# Altium PCB MiniPC.PcbDoc (part 22 of 23) (continued)
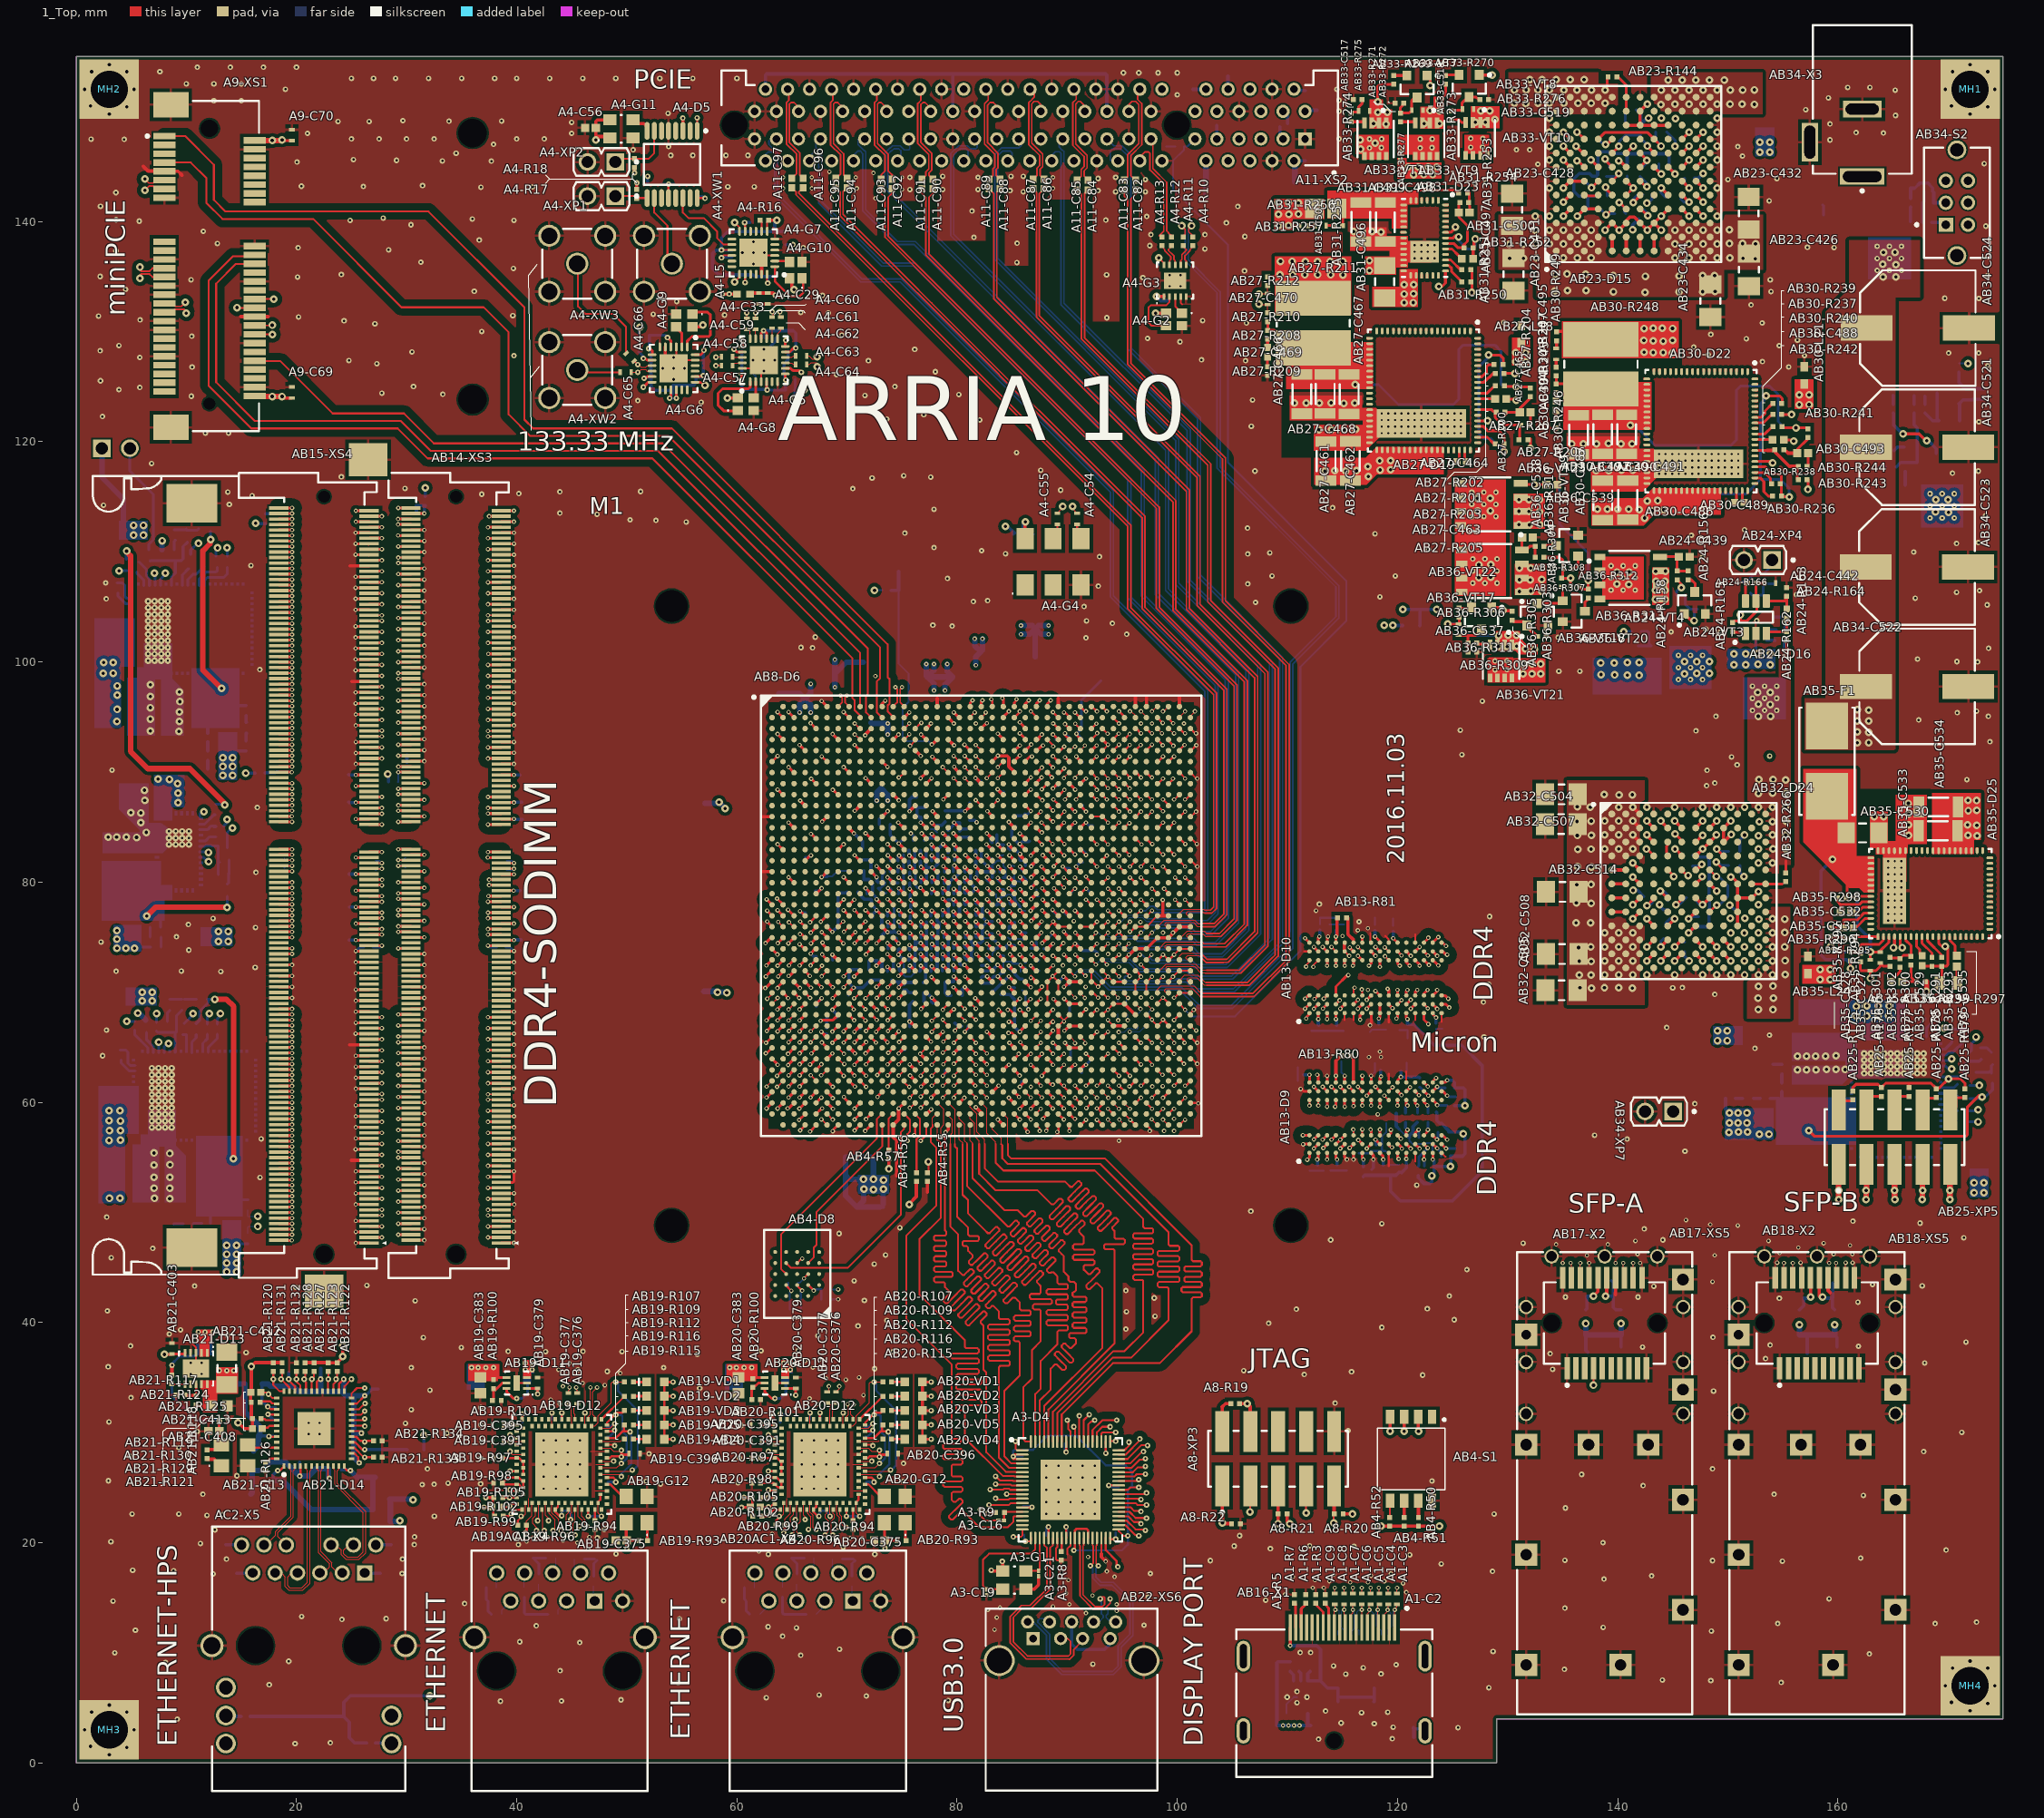
[diagram p0: 1_Top view]
## Nets (pads, with @x,y where several pads share a name; then routed paths per layer and width w, separated by ;. In a path a pad name is that pad's centre, name@x,y a point inside that pad or via, vN(x,y) a via of type N, cw(c..) or ccw(c..) an arc to the next point about the centre after c; other vN are vias at no path point) (continued)
USB3_port.SSTX._N: A3-C15.2 AB22-XS6.5 | length 1.7
  16_Bottom w0.15: A3-C15.2@93.7,13.835 93.7,13.56 93.535,13.395 93.535,13.2 93.94,12.795 AB22-XS6.5@94.4,12.795
USB3_port.SSTX._P: A3-C14.2 AB22-XS6.6 | length 1.7
  16_Bottom w0.15: AB22-XS6.6@92.4,12.795 92.86,12.795 93.265,13.2 93.265,13.395 93.1,13.56 A3-C14.2@93.1,13.835
USB3_port.VBUS: A3-D4.37 AB22-XS6.1 | length 24
  1_Top w0.2: A3-D4.37@93.5,20.425 93.5,19.325 94.5,18.325 94.5,17.9 v3(94.6,17.8)
  7_int6_(sign) w0.3: AB22-XS6.1@86.9,11.295 86.9,8.9 87.6,8.2 94.1,8.2 94.7,8.8 94.7,10.1 96.1,11.5 96.1,16.3 v3(94.6,17.8)
USB3_RD: A3-D4.12 AB8-D6.AT17 | length 65.5
  1_Top w0.17: v1(78.7,60.4) 78.7,60.445 AB8-D6.AT17@79.194,60.939 ; v3(83.5,24.025) 83.625,23.9 84.661,23.9 84.761,24 A3-D4.12@85.925,24
  5_int4_(sign) w0.1: v1(78.7,60.4) 78.6,60.3 78.6,55.7 80.083,54.217 80.083,46.517 81.57,45.03 81.57,44.45 81.57,44.35 81.67,44.25 82.691,44.25 82.791,44.15 82.791,43.95 82.691,43.85 81.57,43.85 81.463,43.85 81.363,43.75 81.363,43.55 81.463,43.45 81.57,43.45 82.691,43.45 82.791,43.35 82.791,43.15 82.691,43.05 81.57,43.05 81.463,43.05 81.363,42.95 81.363,42.75 81.463,42.65 81.57,42.65 82.691,42.65 82.791,42.55 82.791,42.35 82.691,42.25 81.57,42.25 81.463,42.25 81.363,42.15 81.363,41.95 81.463,41.85 81.57,41.85 82.691,41.85 82.791,41.75 82.791,41.55 82.691,41.45 81.57,41.45 81.463,41.45 81.363,41.35 81.363,41.15 81.463,41.05 81.57,41.05 82.691,41.05 82.791,40.95 82.791,40.75 82.691,40.65 81.57,40.65 81.463,40.65 81.363,40.55 81.363,40.35 81.463,40.25 81.57,40.25 82.691,40.25 82.791,40.15 82.791,39.95 82.691,39.85 81.57,39.85 81.463,39.85 81.363,39.75 81.363,39.55 81.463,39.45 81.57,39.45 82.691,39.45 82.791,39.35 82.791,39.15 82.691,39.05 81.57,39.05 80.867,39.05 80.767,38.95 80.767,38.75 80.867,38.65 81.57,38.65 82.691,38.65 82.791,38.55 82.791,38.35 82.691,38.25 81.57,38.25 81.397,38.25 81.297,38.15 81.297,37.95 81.397,37.85 81.47,37.85 81.57,37.75 81.57,37.61 81.57,33.84 80.4,32.67 80.4,26 82.375,24.025 v3(83.5,24.025)
USB3_RXF: A3-D4.9 AB8-D6.AT18 | length 64
  1_Top w0.17: v1(79.7,60.4) 79.7,60.55 80.089,60.939 AB8-D6.AT18@80.194,60.939 ; v3(83.5,25.325) 83.545,25.28 84.854,25.28 84.934,25.2 A3-D4.9@85.925,25.2
  5_int4_(sign) w0.1: v1(79.7,60.4) 80.1,60 80.1,56.954 80,56.854 80,56.1 81.1,55 81.1,49.72 87.13,43.69 87.13,43.5 87.13,43.4 87.23,43.3 88.207,43.3 88.307,43.2 88.307,43 88.207,42.9 87.13,42.9 86.791,42.9 86.691,42.8 86.691,42.6 86.791,42.5 87.13,42.5 88.207,42.5 88.307,42.4 88.307,42.2 88.207,42.1 87.13,42.1 86.791,42.1 86.691,42 86.691,41.8 86.791,41.7 87.13,41.7 88.207,41.7 88.307,41.6 88.307,41.4 88.207,41.3 87.13,41.3 86.791,41.3 86.691,41.2 86.691,41 86.791,40.9 87.13,40.9 88.207,40.9 88.307,40.8 88.307,40.6 88.207,40.5 87.13,40.5 86.791,40.5 86.691,40.4 86.691,40.2 86.791,40.1 87.13,40.1 88.207,40.1 88.307,40 88.307,39.8 88.207,39.7 87.13,39.7 86.791,39.7 86.691,39.6 86.691,39.4 86.791,39.3 87.13,39.3 88.207,39.3 88.307,39.2 88.307,39 88.207,38.9 87.13,38.9 86.791,38.9 86.691,38.8 86.691,38.6 86.791,38.5 87.13,38.5 88.207,38.5 88.307,38.4 88.307,38.2 88.207,38.1 87.23,38.1 87.13,38 87.13,37.02 87.13,35.03 82.7,30.6 82.7,25.7 83.075,25.325 v3(83.5,25.325)
USB3_SIWU: A3-D4.10 AB8-D6.AN17 | length 64.2
  1_Top w0.17: v1(78.745,63.445) 78.745,63.491 AB8-D6.AN17@79.194,63.939 ; v3(83,24.825) 84.193,24.825 84.278,24.91 84.701,24.91 84.811,24.8 A3-D4.10@85.925,24.8
  5_int4_(sign) w0.1: v1(78.745,63.445) 78.755,63.445 79.3,62.9 79.3,57.878 79.525,57.653 79.525,57.072 79.3,56.847 79.3,56.2 80.7,54.8 80.7,48.02 85.09,43.63 85.09,43.43 85.09,43.33 85.19,43.23 86.244,43.23 86.344,43.13 86.344,42.93 86.244,42.83 85.09,42.83 84.864,42.83 84.764,42.73 84.764,42.53 84.864,42.43 85.09,42.43 86.244,42.43 86.344,42.33 86.344,42.13 86.244,42.03 85.09,42.03 84.864,42.03 84.764,41.93 84.764,41.73 84.864,41.63 85.09,41.63 86.244,41.63 86.344,41.53 86.344,41.33 86.244,41.23 85.09,41.23 84.864,41.23 84.764,41.13 84.764,40.93 84.864,40.83 85.09,40.83 86.244,40.83 86.344,40.73 86.344,40.53 86.244,40.43 85.09,40.43 84.864,40.43 84.764,40.33 84.764,40.13 84.864,40.03 85.09,40.03 86.244,40.03 86.344,39.93 86.344,39.73 86.244,39.63 85.09,39.63 84.864,39.63 84.764,39.53 84.764,39.33 84.864,39.23 85.09,39.23 86.244,39.23 86.344,39.13 86.344,38.93 86.244,38.83 85.19,38.83 85.09,38.73 85.09,38.51 85.09,34.75 81.6,31.26 81.6,26 82.775,24.825 v3(83,24.825)
USB3_TOD_N: A3-C14.1 A3-D4.32 | length 9.4
  1_Top w0.15: A3-D4.32@91.5,20.425 91.5,19.775 91.435,19.71 91.435,15.265 92.5,14.2 93.2,14.2 93.4,14.4 93.4,15 93.325,15.075 93.175,15.075 v3(93,14.9)
  16_Bottom w0.15: v3(93,14.9) 93.1,14.8 A3-C14.1@93.1,14.355
USB3_TOD_P: A3-C15.1 A3-D4.31 | length 9.8
  1_Top w0.15: A3-D4.31@91.1,20.425 91.1,19.775 91.165,19.71 91.165,15.153 92.388,13.93 93.312,13.93 93.9,14.518 v3(93.9,14.9)
  16_Bottom w0.15: A3-C15.1@93.7,14.355 93.9,14.555 v3(93.9,14.9)
USB3_TXE: A3-D4.8 AB8-D6.AR18 | length 63.7
  1_Top w0.17: v1(79.7,61.5) 79.755,61.5 AB8-D6.AR18@80.194,61.939 ; v3(83.5,26.025) 83.871,25.654 85.039,25.654 85.093,25.6 A3-D4.8@85.925,25.6
  5_int4_(sign) w0.1: v1(79.7,61.5) 80.3,60.9 80.3,56.7 81.4,55.6 81.4,50.23 83.16,48.47 84.06,48.47 89.9,42.63 89.9,42.5 89.9,42.4 90,42.3 90.96,42.3 91.06,42.2 91.06,42 90.96,41.9 89.9,41.9 88.84,41.9 88.74,41.8 88.74,41.6 88.84,41.5 89.9,41.5 90.96,41.5 91.06,41.4 91.06,41.2 90.96,41.1 89.9,41.1 88.84,41.1 88.74,41 88.74,40.8 88.84,40.7 89.9,40.7 90.96,40.7 91.06,40.6 91.06,40.4 90.96,40.3 89.9,40.3 88.84,40.3 88.74,40.2 88.74,40 88.84,39.9 89.9,39.9 90.96,39.9 91.06,39.8 91.06,39.6 90.96,39.5 89.9,39.5 88.84,39.5 88.74,39.4 88.74,39.2 88.84,39.1 89.8,39.1 89.9,39 89.9,38.75 89.9,35.35 83.5,28.95 v3(83.5,26.025)
USB3_WAKEUP: A3-D4.16 AB8-D6.AV16 | length 62.7
  1_Top w0.1: 77.769,57.939 77.769,58.569 78.139,58.939 AB8-D6.AV16@78.194,58.939
  1_Top w0.17: 77.769,57.939 77.769,57.763 77.6,57.594 77.6,56.4 78.1,55.9 78.1,50.6 75.4,47.9 75.4,40.3 79.5,36.2 79.5,29.77 79.5,29.562 79.618,29.445 80.207,29.445 80.325,29.327 80.325,29.092 80.207,28.975 79.5,28.975 78.846,28.975 78.729,28.857 78.729,28.622 78.846,28.505 79.5,28.505 80.364,28.505 80.481,28.387 80.481,28.152 80.364,28.035 79.5,28.035 78.846,28.035 78.729,27.917 78.729,27.682 78.846,27.565 79.5,27.565 80.364,27.565 80.481,27.447 80.481,27.212 80.364,27.095 79.618,27.095 79.5,26.977 79.5,26.625 79.5,26.39 79.5,26.132 79.618,26.015 80.364,26.015 80.481,25.897 80.481,25.662 80.364,25.545 79.5,25.545 78.846,25.545 78.729,25.427 78.729,25.192 78.846,25.075 79.5,25.075 80.364,25.075 80.481,24.957 80.481,24.722 80.364,24.605 79.618,24.605 79.5,24.487 79.5,24.135 79.5,23.9 79.706,23.694 79.872,23.694 80.165,23.986 80.331,23.986 80.497,23.82 80.497,23.654 80.121,23.279 79.278,22.435 79.278,22.269 79.445,22.103 79.611,22.103 80.371,22.863 80.537,22.863 80.62,22.78 82,21.4 84.6,21.4 85.115,21.915 85.115,22.327 85.188,22.4 A3-D4.16@85.925,22.4
USB3_WR: A3-D4.11 AB8-D6.AR17 | length 65.1
  1_Top w0.17: v1(78.7,61.5) 78.755,61.5 AB8-D6.AR17@79.194,61.939 ; v3(84.5,24.425) 84.525,24.4 A3-D4.11@85.925,24.4
  5_int4_(sign) w0.1: v1(78.7,61.5) 78.8,61.5 79.1,61.2 79.1,57.795 79.325,57.57 79.325,57.155 79.095,56.925 79.071,56.925 79,56.854 79,55.9 80.383,54.517 80.383,47.017 83.21,44.19 83.21,43.81 83.21,43.71 83.31,43.61 84.364,43.61 84.464,43.51 84.464,43.31 84.364,43.21 83.21,43.21 83.189,43.21 83.089,43.11 83.089,42.91 83.189,42.81 83.21,42.81 84.364,42.81 84.464,42.71 84.464,42.51 84.364,42.41 83.21,42.41 83.189,42.41 83.089,42.31 83.089,42.11 83.189,42.01 83.21,42.01 84.364,42.01 84.464,41.91 84.464,41.71 84.364,41.61 83.21,41.61 83.189,41.61 83.089,41.51 83.089,41.31 83.189,41.21 83.21,41.21 84.364,41.21 84.464,41.11 84.464,40.91 84.364,40.81 83.21,40.81 83.189,40.81 83.089,40.71 83.089,40.51 83.189,40.41 83.21,40.41 84.364,40.41 84.464,40.31 84.464,40.11 84.364,40.01 83.21,40.01 83.189,40.01 83.089,39.91 83.089,39.71 83.189,39.61 83.21,39.61 84.364,39.61 84.464,39.51 84.464,39.31 84.364,39.21 83.21,39.21 83.189,39.21 83.089,39.11 83.089,38.91 83.189,38.81 83.21,38.81 84.364,38.81 84.464,38.71 84.464,38.51 84.364,38.41 83.31,38.41 83.21,38.31 83.21,38.22 83.21,37.41 82.19,36.39 82.19,36.12 82.19,36.02 82.29,35.92 83.344,35.92 83.444,35.82 83.444,35.62 83.344,35.52 82.19,35.52 81.97,35.52 81.87,35.42 81.87,35.22 81.97,35.12 82.09,35.12 82.19,35.02 82.19,34.85 82.19,33.33 81.1,32.24 81.1,25.9 82.625,24.375 83.186,24.375 83.311,24.5 84.425,24.5 v3(84.5,24.425)
VADJ: AB2-C235.2 AB2-C241.2 AB2-C247.2 AB3-R26.1 AB3-R28.1 AB3-R30.1 AB3-R40.1 AB8-D6.AK14 AB8-D6.AL11 AB8-D6.AM13 AB8-D6.G8 AB8-D6.G13 AB8-D6.J12 AB8-D6.K4 AB8-D6.K9 AB8-D6.K14 AB8-D6.L6 AB8-D6.L11 AB8-D6.M8 AB25-R184.1 AB25-R185.2 | length 18.6
  1_Top w0.17: v1(74.7,89.5) 74.755,89.5 AB8-D6.G13@75.194,89.939
  1_Top w0.25: v1(69.694,90.439) AB8-D6.G8@70.194,89.939 ; AB8-D6.AL11@73.194,65.939 v1(73.683,65.45) ; AB8-D6.L11@73.194,85.939 v1(73.694,86.439)
  1_Top w0.3: v1(65.75,87.4) 65.75,87.383 AB8-D6.K4@66.194,86.939 ; v1(67.745,85.495) 67.75,85.495 AB8-D6.L6@68.194,85.939 ; AB8-D6.M8@70.194,84.939 70.194,84.856 v1(70.625,84.425) ; v1(70.7,86.475) 70.73,86.475 AB8-D6.K9@71.194,86.939 ; AB8-D6.J12@74.194,87.939 v1(74.7,87.433) ; v1(74.7,64.425) 74.7,64.445 AB8-D6.AM13@75.194,64.939 ; v1(75.675,86.425) 75.68,86.425 AB8-D6.K14@76.194,86.939 ; v1@75.679,67.379 v1(75.679,67.328) 75.722,67.328 76.111,66.939 AB8-D6.AK14@76.194,66.939
  16_Bottom w0.3: v1(70.625,84.425) 71.35,83.7 71.4,83.7 AB3-R30.1@71.4,83.025 ; AB3-R28.1@72.925,85.225 72.925,85.67 v1(73.694,86.439) ; AB2-C235.2@73.175,65.785 73.354,65.785 73.683,65.456 v1(73.683,65.45) ; v1(74.7,64.425) 75.035,64.76 AB2-C241.2@75.225,64.76 ; v1(75.675,86.425) 75.675,87.475 75.925,87.725 AB3-R26.1@76.325,87.725 ; AB2-C247.2@75.7,66.86 75.7,67.307 v1(75.679,67.328) 75.679,68.829 AB3-R40.1@76,69.15 ; AB25-R185.2@149.79,60.36 149.79,59.375 v2(150.13,59.035)
  other v2: 152.87,57.11 153.74,57.11 150.11,57.26 150.97,57.3 151.78,57.31 150.13,58.135 150.93,58.135 151.73,58.135 150.93,59.035 151.73,59.035
VCC_SENSE: AB8-D6.AA19 AB32-R259.2 | length 102.5
  1_Top w0.3: v1(80.738,76.45) 80.75,76.45 81.194,76.006 AB8-D6.AA19@81.194,75.939
  7_int6_(sign) w0.15: v1(80.738,76.45) 81.2,76.912 81.2,87.975 82.175,88.95 82.175,95.95 81.9,96.225 81.9,97.95 82.45,98.5 124.875,98.5 126.323,97.052 140.328,97.052 145.21,92.17 147.41,92.17 150.94,88.64 150.94,84.845 v2(151.515,84.27)
  16_Bottom w0.3: AB32-R259.2@151.09,82.795 151.09,83.845 v2(151.515,84.27)
VDD33_1: AB32-D24.J7 AB32-R267.2 AB32-R268.2 | length 10.7
  1_Top w0.3: v2(146.44,75.385) AB32-D24.J7@147.075,76.02
  16_Bottom w0.3: v2(146.44,75.385) 147,75.945 147.365,75.945 148.09,75.945 148.29,76.145 148.29,77.626 148.34,77.676 148.34,78.215 148.29,78.264 148.29,79.81 ; AB32-R268.2@146.84,82.445 AB32-R268.2@146.89,82.395 ; AB32-R268.2@146.89,82.395 146.89,82.42 147.055,82.255 148.139,82.255 148.31,82.085 148.31,81.546 148.31,80.246 148.31,79.83
VDD33_2: AB23-D15.J7 AB23-R140.2 AB23-R146.2 AB23-R147.2 AB23-R148.2 AB23-R149.2 AB23-R150.2 AB23-R151.2 | length 20.2
  1_Top w0.3: AB23-D15.J7@144.575,144.935 v2(145.21,144.3)
  16_Bottom w0.3: AB23-R148.2@137.3,141.075 137.3,142.276 137.309,142.285 ; AB23-R151.2@138.15,142.3 138.135,142.285 137.309,142.285 ; AB23-R140.2@140.85,145.025 140.85,146.05 140.95,146.15 ; v2(145.21,144.3) 144.65,144.86 144.65,145.225 144.65,145.95 144.45,146.15 142.969,146.15 142.919,146.2 142.38,146.2 142.331,146.15 140.95,146.15 ; 136.05,143.896 136.05,143.925 136.225,144.1 136.254,144.1 ; 136.05,143.896 136.254,144.1 ; 136.05,143.896 136,143.846 136,142.745 136.46,142.285 137.309,142.285 ; 136.254,144.1 136.499,144.345 137.431,144.345 137.676,144.1 138.05,144.1 138.175,144.225 138.175,144.75 138.35,144.925 138.207,145.068 138.207,146.057 138.482,146.332 139.126,146.332 139.288,146.17 140.93,146.17 140.95,146.15
Vref_DDR4: AB13-C337.2 AB13-C338.2 AB13-C339.2 AB13-D9.M1 AB13-D10.M1 AB13-R64.2 AB13-R79.2 | length 35.9
  1_Top w0.25: v1(120.8,54.85) 120.8,54.8 AB13-D9.M1@120.8,55.4 ; AB13-D10.M1@120.8,68.1 120.8,67.65 v1(120.9,67.55)
  16_Bottom w0.25: AB13-C339.2@120.8,54.41 v1(120.8,54.85)
  16_Bottom w0.3: AB13-R64.2@116.9,53.25 117.015,53.365 AB13-C337.2@117.65,53.365 119.375,53.365 ; AB13-R79.2@120.38,53.62 120.8,54.04 AB13-C339.2@120.8,54.41 ; AB13-R79.2@120.38,53.625 120.1,53.625 119.84,53.365 119.375,53.365 ; v1(120.9,67.55) AB13-C338.2@120.9,67.06 121.46,67.06 123.345,65.175 125.825,65.175 127.7,63.3 127.7,53.75 124.99,51.04 120.26,51.04 119.375,51.925 119.375,53.365
pads on no net: A1-D1.1 A1-D1.6 A1-D1.7 A1-D2.5 A1-D2.6 A1-D3.5 A1-D3.6 A3-D4.17 A3-D4.18 A4-D5.2 A4-D5.4 A4-D5.6 A4-D5.11 A4-D5.13 A4-D5.15 A4-G4.1 A4-G4.2 A4-G5.5 A4-G6.13 A4-G6.14 A4-G6.17 A4-G6.18 A4-G6.21 A4-G6.22 A4-G7.5 A4-G7.9 A4-G7.10 A4-G7.13 A4-G7.17 A4-G7.18 A4-G7.21 A4-G7.22 A8-XP3.6 A8-XP3.8 A9-XS1.3 A9-XS1.5 A9-XS1.6 A9-XS1.8 A9-XS1.10 A9-XS1.12 A9-XS1.14 A9-XS1.16 A9-XS1.17 A9-XS1.19 A9-XS1.24 A9-XS1.28 A9-XS1.39 A9-XS1.41 A9-XS1.42 A9-XS1.45 A9-XS1.46 A9-XS1.47 A9-XS1.48 A9-XS1.49 A9-XS1.51 A9-XS1.MH1 A9-XS1.MH2 A11-XS2.A5 A11-XS2.A6 A11-XS2.A7 A11-XS2.A8 A11-XS2.A19 A11-XS2.A32 A11-XS2.A33 A11-XS2.B5 A11-XS2.B9 A11-XS2.B11 A11-XS2.B12 A11-XS2.B30 A11-XS2.MH1 A11-XS2.MH2 AB3-D7.1 AB3-D7.2 AB3-D7.3 AB3-D7.7 AB3-D7.8 AB4-D8.A2 AB4-D8.A3 AB4-D8.A4 AB4-D8.A5 AB4-D8.B1 AB4-D8.B5 AB4-D8.C1 AB4-D8.C3 AB4-D8.C5 AB4-D8.D1 AB4-D8.D5 AB4-D8.E1 AB4-D8.E2 AB4-D8.E3 AB4-D8.E4 AB4-D8.E5 AB4-S1.1 AB8-D6.A2 AB8-D6.A3 AB8-D6.A4 AB8-D6.A5 AB8-D6.A10 AB8-D6.A14 AB8-D6.A15 AB8-D6.A17 AB8-D6.A18 AB8-D6.A28 AB8-D6.A32 AB8-D6.A33 AB8-D6.AC2 AB8-D6.AC3 AB8-D6.AC7 AB8-D6.AC8 AB8-D6.AC9 AB8-D6.AC11 AB8-D6.AD8 AB8-D6.AD9 AB8-D6.AD10 AB8-D6.AE7 AB8-D6.AE10 AB8-D6.AE11 AB8-D6.AE20 AB8-D6.AF7 AB8-D6.AF9 AB8-D6.AF10 AB8-D6.AF14 AB8-D6.AF15 AB8-D6.AF17 AB8-D6.AF20 AB8-D6.AG5 AB8-D6.AG6 AB8-D6.AG14 AB8-D6.AG15 AB8-D6.AG16 AB8-D6.AG17 AB8-D6.AG20 AB8-D6.AG21 AB8-D6.AG22 AB8-D6.AG24 AB8-D6.AH6 AB8-D6.AH12 AB8-D6.AH13 AB8-D6.AH14 AB8-D6.AH21 AB8-D6.AH22 AB8-D6.AH30 AB8-D6.AH31 AB8-D6.AH39 AB8-D6.AJ5 AB8-D6.AJ6 AB8-D6.AJ11 AB8-D6.AJ13 AB8-D6.AJ14 AB8-D6.AJ15 AB8-D6.AJ20 AB8-D6.AJ21 AB8-D6.AJ32 AB8-D6.AJ33 AB8-D6.AJ36 AB8-D6.AJ37 AB8-D6.AK6 AB8-D6.AK13 AB8-D6.AK15 AB8-D6.AK20 AB8-D6.AK21 AB8-D6.AK22 AB8-D6.AK30 AB8-D6.AK31 AB8-D6.AK34 AB8-D6.AK35 AB8-D6.AL2 AB8-D6.AL14 AB8-D6.AL20 AB8-D6.AL22 AB8-D6.AL24 AB8-D6.AL32 AB8-D6.AL33 AB8-D6.AM2 AB8-D6.AM11 AB8-D6.AM14 AB8-D6.AM21 AB8-D6.AM22 AB8-D6.AM30 AB8-D6.AM31 AB8-D6.AM34 AB8-D6.AM35 AB8-D6.AM38 AB8-D6.AM39 AB8-D6.AN2 AB8-D6.AN8 AB8-D6.AN11 AB8-D6.AN21 AB8-D6.AN22 AB8-D6.AN28 AB8-D6.AN29 AB8-D6.AN32 AB8-D6.AN33 AB8-D6.AN36 AB8-D6.AN37 AB8-D6.AP1 AB8-D6.AP10 AB8-D6.AP21 AB8-D6.AP24 AB8-D6.AP30 AB8-D6.AP31 AB8-D6.AP34 AB8-D6.AP35 AB8-D6.AP38 AB8-D6.AP39 AB8-D6.AR7 AB8-D6.AR10 AB8-D6.AR11 AB8-D6.AR21 AB8-D6.AR22 AB8-D6.AR23 AB8-D6.AR28 AB8-D6.AR29 AB8-D6.AR32 AB8-D6.AR33 AB8-D6.AR36 AB8-D6.AR37 AB8-D6.AT2 AB8-D6.AT7 AB8-D6.AT8 AB8-D6.AT9 AB8-D6.AT10 AB8-D6.AT12 AB8-D6.AT13 AB8-D6.AT22 AB8-D6.AT34 AB8-D6.AT35 AB8-D6.AT38 AB8-D6.AT39 AB8-D6.AU7 AB8-D6.AU10 AB8-D6.AU11 AB8-D6.AU12 AB8-D6.AU21 AB8-D6.AU22 AB8-D6.AU36 AB8-D6.AU37 AB8-D6.AV1 AB8-D6.AV2 AB8-D6.AV3 AB8-D6.AV7 AB8-D6.AV8 AB8-D6.AV21 AB8-D6.AV29 AB8-D6.AV30 AB8-D6.AV34 AB8-D6.AV35 AB8-D6.AV38 AB8-D6.AV39 AB8-D6.AW2 AB8-D6.AW3 AB8-D6.AW8 AB8-D6.AW20 AB8-D6.AW23 AB8-D6.AW30 AB8-D6.B1 AB8-D6.B4 AB8-D6.B5 AB8-D6.B6 AB8-D6.B7 AB8-D6.B14 AB8-D6.B15 AB8-D6.B16 AB8-D6.B21 AB8-D6.B24 AB8-D6.B26 AB8-D6.B30 AB8-D6.B31 AB8-D6.C1 AB8-D6.C2 AB8-D6.C3 AB8-D6.C4 AB8-D6.C6 AB8-D6.C7 AB8-D6.C8 AB8-D6.C11 AB8-D6.C12 AB8-D6.C16 AB8-D6.C17 AB8-D6.C18 AB8-D6.C19 AB8-D6.C21 AB8-D6.C22 AB8-D6.C23 AB8-D6.C25 AB8-D6.C26 AB8-D6.C32 AB8-D6.C33 AB8-D6.D1 AB8-D6.D3 AB8-D6.D4 AB8-D6.D5 AB8-D6.D6 AB8-D6.D8 AB8-D6.D10 AB8-D6.D11 AB8-D6.D18 AB8-D6.D19 AB8-D6.D20 AB8-D6.D21 AB8-D6.D23 AB8-D6.D34 AB8-D6.D35 AB8-D6.D38 AB8-D6.D39 AB8-D6.E1 AB8-D6.E2 AB8-D6.E3 AB8-D6.E5 AB8-D6.E6 AB8-D6.E7 AB8-D6.E8 AB8-D6.E10 AB8-D6.E11 AB8-D6.E12 AB8-D6.E13 AB8-D6.E15 AB8-D6.E16 AB8-D6.E17 AB8-D6.E18 AB8-D6.E21 AB8-D6.E22 AB8-D6.E26 AB8-D6.E36 AB8-D6.E37 AB8-D6.F2 AB8-D6.F3 AB8-D6.F4 AB8-D6.F5 AB8-D6.F7 AB8-D6.F8 AB8-D6.F9 AB8-D6.F10 AB8-D6.F12 AB8-D6.F13 AB8-D6.F14 AB8-D6.F15 AB8-D6.F17 AB8-D6.F25 AB8-D6.F34 AB8-D6.F35 AB8-D6.F38 AB8-D6.F39 AB8-D6.G1 AB8-D6.G2 AB8-D6.G4 AB8-D6.G5 AB8-D6.G6 AB8-D6.G7 AB8-D6.G9 AB8-D6.G10 AB8-D6.G11 AB8-D6.G12 AB8-D6.G14 AB8-D6.G16 AB8-D6.G24 AB8-D6.G36 AB8-D6.G37 AB8-D6.H1 AB8-D6.H2 AB8-D6.H3 AB8-D6.H4 AB8-D6.H6 AB8-D6.H7 AB8-D6.H8 AB8-D6.H9 AB8-D6.H11 AB8-D6.H12 AB8-D6.H13 AB8-D6.H14 AB8-D6.H16 AB8-D6.H17 AB8-D6.H21 AB8-D6.H22 AB8-D6.H23 AB8-D6.H34 AB8-D6.H35 AB8-D6.H38 AB8-D6.H39 AB8-D6.J1 AB8-D6.J3 AB8-D6.J4 AB8-D6.J5 AB8-D6.J6 AB8-D6.J8 AB8-D6.J9 AB8-D6.J10 AB8-D6.J11 AB8-D6.J13 AB8-D6.J14 AB8-D6.J15 AB8-D6.J16 AB8-D6.J18 AB8-D6.J19 AB8-D6.J20 AB8-D6.J21 AB8-D6.J23 AB8-D6.J26 AB8-D6.J36 AB8-D6.J37 AB8-D6.K1 AB8-D6.K2 AB8-D6.K3 AB8-D6.K5 AB8-D6.K6 AB8-D6.K7 AB8-D6.K8 AB8-D6.K10 AB8-D6.K11 AB8-D6.K12 AB8-D6.K13 AB8-D6.K15 AB8-D6.K16 AB8-D6.K17 AB8-D6.K18 AB8-D6.K22 AB8-D6.K23 AB8-D6.K25 AB8-D6.K30 AB8-D6.K31 AB8-D6.K34 AB8-D6.K35 AB8-D6.K38 AB8-D6.K39 AB8-D6.L2 AB8-D6.L3 AB8-D6.L4 AB8-D6.L5 AB8-D6.L7 AB8-D6.L8 AB8-D6.L9 AB8-D6.L10 AB8-D6.L12 AB8-D6.L13 AB8-D6.L14 AB8-D6.L15 AB8-D6.L17 AB8-D6.L18 AB8-D6.L19 AB8-D6.L20 AB8-D6.L22 AB8-D6.L23 AB8-D6.L24 AB8-D6.L28 AB8-D6.L29 AB8-D6.L32 AB8-D6.L33 AB8-D6.L36 AB8-D6.L37 AB8-D6.M1 AB8-D6.M2 AB8-D6.M4 AB8-D6.M5 AB8-D6.M6 AB8-D6.M7 AB8-D6.M9 AB8-D6.M10 AB8-D6.M11 AB8-D6.M12 AB8-D6.M14 AB8-D6.M17 AB8-D6.M19 AB8-D6.M20 AB8-D6.M21 AB8-D6.M22 AB8-D6.M30 AB8-D6.M31 AB8-D6.M34 AB8-D6.M35 AB8-D6.M38 AB8-D6.M39 AB8-D6.N1 AB8-D6.N2 AB8-D6.N3 AB8-D6.N4 AB8-D6.N6 AB8-D6.N7 AB8-D6.N8 AB8-D6.N9 AB8-D6.N11 AB8-D6.N12 AB8-D6.N13 AB8-D6.N14 AB8-D6.N19 AB8-D6.N20 AB8-D6.N22 AB8-D6.N23 AB8-D6.N28 AB8-D6.N29 AB8-D6.N32 AB8-D6.N33 AB8-D6.N36 AB8-D6.N37 AB8-D6.P1 AB8-D6.P3 AB8-D6.P4 AB8-D6.P5 AB8-D6.P6 AB8-D6.P8 AB8-D6.P9 AB8-D6.P10 AB8-D6.P11 AB8-D6.P14 AB8-D6.P15 AB8-D6.P19 AB8-D6.P20 AB8-D6.P30 AB8-D6.P31 AB8-D6.P34 AB8-D6.P35 AB8-D6.P38 AB8-D6.P39 AB8-D6.R1 AB8-D6.R2 AB8-D6.R3 AB8-D6.R5 AB8-D6.R6 AB8-D6.R7 AB8-D6.R8 AB8-D6.R10 AB8-D6.R11 AB8-D6.R28 AB8-D6.R29 AB8-D6.R32 AB8-D6.R33 AB8-D6.R36 AB8-D6.R37 AB8-D6.T2 AB8-D6.T3 AB8-D6.T4 AB8-D6.T5 AB8-D6.T7 AB8-D6.T8 AB8-D6.T9 AB8-D6.T30 AB8-D6.T31 AB8-D6.T34 AB8-D6.T35 AB8-D6.T38 AB8-D6.T39 AB8-D6.U1 AB8-D6.U2 AB8-D6.U4 AB8-D6.U5 AB8-D6.U6 AB8-D6.U7 AB8-D6.U9 AB8-D6.U10 AB8-D6.U11 AB8-D6.U32 AB8-D6.U33 AB8-D6.U36 AB8-D6.U37 AB8-D6.V1 AB8-D6.V2 AB8-D6.V3 AB8-D6.V4 AB8-D6.V6 AB8-D6.V7 AB8-D6.V8 AB8-D6.V9 AB8-D6.V11 AB8-D6.V30 AB8-D6.V31 AB8-D6.V34 AB8-D6.V35 AB8-D6.V38 AB8-D6.V39 AB8-D6.W3 AB8-D6.W4 AB8-D6.W5 AB8-D6.W6 AB8-D6.W9 AB8-D6.W10 AB8-D6.W15 AB8-D6.W16 AB8-D6.W28 AB8-D6.W29 AB8-D6.W32 AB8-D6.W33 AB8-D6.W36 AB8-D6.W37 AB8-D6.Y7 AB8-D6.Y30 AB8-D6.Y31 AB13-D9.T7 AB13-D10.T7 AB14-XS3.87 AB14-XS3.88 AB14-XS3.91 AB14-XS3.92 AB14-XS3.95 AB14-XS3.96 AB14-XS3.97 AB14-XS3.100 AB14-XS3.101 AB14-XS3.104 AB14-XS3.105 AB14-XS3.110 AB14-XS3.134 AB14-XS3.157 AB14-XS3.161 AB14-XS3.162 AB14-XS3.165 AB14-XS3.MH1 AB14-XS3.MH2 AB15-XS4.87 AB15-XS4.88 AB15-XS4.91 AB15-XS4.92 AB15-XS4.95 AB15-XS4.96 AB15-XS4.97 AB15-XS4.100 AB15-XS4.101 AB15-XS4.104 AB15-XS4.105 AB15-XS4.110 AB15-XS4.134 AB15-XS4.157 AB15-XS4.161 AB15-XS4.162 AB15-XS4.165 AB15-XS4.MH1 AB15-XS4.MH2 AB16-X1.25 AB17-X2.2 AB17-X2.3 AB17-X2.5 AB17-X2.6 AB17-X2.7 AB17-X2.8 AB17-X2.9 AB17-X2.MH1 AB17-X2.MH2 AB18-X2.2 AB18-X2.3 AB18-X2.5 AB18-X2.6 AB18-X2.7 AB18-X2.8 AB18-X2.9 AB18-X2.MH1 AB18-X2.MH2 AB19-D12.A2 AB19-D12.A4 AB19-D12.A5 AB19-D12.A7 AB19-D12.A20 AB19-D12.A26 AB19-D12.A27 AB19-D12.A28 AB19-D12.A43 AB19-D12.A45 AB19-D12.A47 AB19-D12.A48 AB19-D12.A49 AB19-D12.A50 AB19-D12.A51 AB19-D12.B1 AB19-D12.B2 AB19-D12.B4 AB19-D12.B11 AB19-D12.B18 AB19-D12.B21 AB19-D12.B22 AB19-D12.B25 AB19-D12.B26 AB19-D12.B33 AB19-D12.B37 AB19-D12.B39 AB19-D12.B40 AB19-D12.B42 AB19-D12.B43 AB19-D12.B44 AB19AC1-X4.MH1 AB19AC1-X4.MH2 AB20-D12.A2 AB20-D12.A4 AB20-D12.A5 AB20-D12.A7 AB20-D12.A20 AB20-D12.A26 AB20-D12.A27 AB20-D12.A28 AB20-D12.A43 AB20-D12.A45 AB20-D12.A47 AB20-D12.A48 AB20-D12.A49 AB20-D12.A50 AB20-D12.A51 AB20-D12.B1 AB20-D12.B2 AB20-D12.B4 AB20-D12.B11 AB20-D12.B18 AB20-D12.B21 AB20-D12.B22 AB20-D12.B25 AB20-D12.B26 AB20-D12.B33 AB20-D12.B37 AB20-D12.B39 AB20-D12.B40 AB20-D12.B42 AB20-D12.B43 AB20-D12.B44 AB20AC1-X4.MH1 AB20AC1-X4.MH2 AB21-D13.7 AB21-D14.13 AB21-D14.43 AB21-D14.45 AB21-D14.47 AB23-D15.A5 AB23-D15.B10 AB23-D15.C10 AB23-D15.D8 AB23-D15.D10 AB23-D15.E10 AB23-D15.E11 AB23-D15.F9 AB23-D15.G9 AB23-D15.H4 AB23-D15.H5 AB23-D15.H6 AB23-D15.H11 AB23-D15.J6 AB23-D15.J8 AB23-D15.J9 AB23-D15.K10 AB23-D15.L10 AB23-D15.M5 AB25-D17.1 AB25-D17.2 AB25-D17.3 AB25-D17.4 AB25-D17.5 AB25-D17.6 AB25-D17.7 AB25-D17.8 AB25-D17.9 AB25-D17.10 AB25-D17.11 AB25-D17.12 AB25-D17.13 AB25-D17.14 AB25-D17.15 AB25-D17.25 AB25-D17.26 AB25-D17.27 AB25-D17.44 AB25-D17.45 AB25-D17.48 AB25-D17.49 AB25-D17.54 AB25-D17.56 AB25-D17.59 AB25-D17.62 AB25-D17.63 AB25-D17.64 AB25-D17.65 AB25-D17.66 AB25-D17.67 AB25-D17.68 AB26-D18.1 AB26-D18.2 AB26-D18.3 AB26-D18.4 AB26-D18.5 AB26-D18.6 AB26-D18.7 AB26-D18.8 AB26-D18.9 AB26-D18.10 AB26-D18.11 AB26-D18.12 AB26-D18.13 AB26-D18.14 AB26-D18.15 AB26-D18.25 AB26-D18.26 AB26-D18.27 AB26-D18.44 AB26-D18.45 AB26-D18.48 AB26-D18.49 AB26-D18.54 AB26-D18.56 AB26-D18.59 AB26-D18.62 AB26-D18.63 AB26-D18.64 AB26-D18.65 AB26-D18.66 AB26-D18.67 AB26-D18.68 AB27-D19.1 AB27-D19.2 AB27-D19.3 AB27-D19.4 AB27-D19.5 AB27-D19.6 AB27-D19.7 AB27-D19.8 AB27-D19.9 AB27-D19.10 AB27-D19.11 AB27-D19.12 AB27-D19.13 AB27-D19.14 AB27-D19.15 AB27-D19.16 AB27-D19.17 AB27-D19.18 AB27-D19.19 AB27-D19.29 AB27-D19.30 AB27-D19.31 AB27-D19.52 AB27-D19.53 AB27-D19.56 AB27-D19.57 AB27-D19.59 AB27-D19.62 AB27-D19.64 AB27-D19.67 AB27-D19.70 AB27-D19.71 AB27-D19.72 AB27-D19.73 AB27-D19.74 AB27-D19.75 AB27-D19.76 AB28-D20.1 AB28-D20.2 AB28-D20.3 AB28-D20.4 AB28-D20.5 AB28-D20.6 AB28-D20.7 AB28-D20.8 AB28-D20.9 AB28-D20.10 AB28-D20.11 AB28-D20.12 AB28-D20.13 AB28-D20.14 AB28-D20.15 AB28-D20.25 AB28-D20.26 AB28-D20.27 AB28-D20.44 AB28-D20.45 AB28-D20.48 AB28-D20.49 AB28-D20.54 AB28-D20.56 AB28-D20.59 AB28-D20.62 AB28-D20.63 AB28-D20.64 AB28-D20.65 AB28-D20.66 AB28-D20.67 AB28-D20.68 AB29-D21.1 AB29-D21.2 AB29-D21.3 AB29-D21.4 AB29-D21.12 AB29-D21.22 AB29-D21.23 AB29-D21.24 AB29-D21.25 AB29-D21.29 AB29-D21.34 AB29-D21.35 AB29-D21.36 AB29-D21.37 AB29-D21.38 AB30-D22.1 AB30-D22.2 AB30-D22.3 AB30-D22.4 AB30-D22.5 AB30-D22.6 AB30-D22.7 AB30-D22.8 AB30-D22.9 AB30-D22.10 AB30-D22.11 AB30-D22.12 AB30-D22.13 AB30-D22.14 AB30-D22.15 AB30-D22.16 AB30-D22.17 AB30-D22.18 AB30-D22.19 AB30-D22.29 AB30-D22.30 AB30-D22.31 AB30-D22.52 AB30-D22.53 AB30-D22.56 AB30-D22.57 AB30-D22.62 AB30-D22.64 AB30-D22.67 AB30-D22.70 AB30-D22.71 AB30-D22.72 AB30-D22.73 AB30-D22.74 AB30-D22.75 AB30-D22.76 AB31-D23.1 AB31-D23.2 AB31-D23.3 AB31-D23.4 AB31-D23.12 AB31-D23.22 AB31-D23.23 AB31-D23.24 AB31-D23.25 AB31-D23.29 AB31-D23.34 AB31-D23.35 AB31-D23.36 AB31-D23.37 AB31-D23.38 AB32-D24.A5 AB32-D24.B10 AB32-D24.C10 AB32-D24.D8 AB32-D24.D10 AB32-D24.E4 AB32-D24.E10 AB32-D24.E11 AB32-D24.F4 AB32-D24.F5 AB32-D24.F6 AB32-D24.F9 AB32-D24.G9 AB32-D24.H4 AB32-D24.H5 AB32-D24.H6 AB32-D24.H9 AB32-D24.H11 AB32-D24.J6 AB32-D24.J8 AB32-D24.J9 AB32-D24.K10 AB32-D24.L10 AB32-D24.M5 AB34-S2.3 AB34-S2.4 AB34-S2.5 AB34-S2.6 AB34-S2.MH1 AB34-S2.MH2 AB35-D25.1 AB35-D25.2 AB35-D25.3 AB35-D25.4 AB35-D25.5 AB35-D25.6 AB35-D25.7 AB35-D25.8 AB35-D25.9 AB35-D25.10 AB35-D25.11 AB35-D25.12 AB35-D25.13 AB35-D25.14 AB35-D25.15 AB35-D25.16 AB35-D25.25 AB35-D25.26 AB35-D25.27 AB35-D25.28 AB35-D25.47 AB35-D25.48 AB35-D25.55 AB35-D25.59 AB35-D25.61 AB35-D25.63 AB35-D25.64 AB35-D25.65 AB35-D25.66 AB35-D25.67 AB35-D25.68 AC2-X5.MH1 AC2-X5.MH2
copper on no net: | length 0.2
  1_Top w0.25: 69.114,61.939 69.194,61.939 ; 69.114,76.939 69.194,76.939
  1_Top w0.3: 143.255,79.83 143.265,79.83
  other v6: 48.1,19.9 44.2,34.2 98.8,57.4 99.7,57.4 99.7,58.5 94.7,60.4 115,75.1

## Polygon pours and split planes (outlines as drawn)
GND on 16_Bottom "16_Bottom_GND" (solid, remove dead copper, pour order 153): 0,0 129,0 129,4 175,4 175,155 0,155
3V3 on 16_Bottom "16_Bottom_3V3" (solid, pour order 26): 128.15,139.85 138.15,139.85 148.9,139.85 154.4,139.85 154.4,135.85 150.4,135.85 150.4,133.19 147.07,133.19 136.17,133.19 132.61,133.19 132.61,135.85 128.15,135.85
Core_0V9 on 16_Bottom "16_Bottom_A10_0V9" (solid, pour order 25): 141.91,88.6 141.91,82.62 140.55,82.62 140.55,75.74 141.91,75.74 141.91,69.69 137.89,69.69 133.49,69.69 133.49,73.48 133.49,82.78 133.49,88.6 137.89,88.6
12V_INPUT on 16_Bottom "16_Bottom_MAIN_12V" (solid, pour order 24): 130.05,152.925 130.05,154.125 152.83,154.125 152.83,149.925 144.05,149.925 144.05,151.175 139.8,151.175 139.8,150.425 139.8,149.925 130.05,149.925 130.05,152.675
12V_OUTPUT on 16_Bottom "Top_A10_12V" (solid, pour order 23): 155.64,67.86 152.04,67.86 152.04,90.62 151.08,91.58 151.08,98.58 152.04,98.58 155.64,98.58 160,98.58 160,80.54 158.04,80.54 158.04,74.5 155.64,72.1
12V_INPUT on 16_Bottom "16_Bottom_MAIN_12V" (solid, pour order 22): 156.8,136.1 162.1,136.1 162.1,138.5 162.1,138.6 167.2,138.6 167.2,133.925 167.2,132.4 163.9,129.1 163.9,125.3 168.225,125.3 168.225,123.975 168.225,123.84 163.95,123.84 163.95,119.6 163.95,115.3 166.9,115.3 166.9,111.5 166.8,111.4 163.1,111.4 158.3,111.4 158.3,131.7 156.7,131.7 156.5,131.7 156.5,133.925 156.5,136.1 156.7,136.1
NetAB34-C525_2 on 16_Bottom "16_Bottom-No Net" (solid, pour order 20): 156.4,142.6 156.4,138.9 166,138.9 168.1,138.9 168.1,139.44 168.1,140.175 167.6,140.175 167.25,140.175 167.25,139.2 165.9,139.2 165.9,146.3 158.7,146.3 158.7,144.5 156.4,144.5
GND on 1_Top "1_Top-GND" (solid, remove dead copper, pour order 151): 0,0 129,0 129,4 175,4 175,155 0,155
12V_INPUT on 1_Top "1_Top_Main_12V" (solid, remove dead copper, pour order 135): 130.08,149.75 140,149.75 140,152.5 138.25,152.5 138.25,153.55 130.08,153.55
12V_OUTPUT on 1_Top "1_Top_A10_12V" (solid, pour order 141): 151.729,67.62 155.66,67.62 155.66,77.722 151.729,77.722
12V_OUTPUT on 1_Top "1_Top_A10_12V" (solid, pour order 139): 151.79,80.77 154.64,80.77 154.64,81.55 154.84,81.55 155.72,81.55 155.72,98.6 155.72,101.2 154.64,101.2 154.64,98.6 151.79,98.6
12V_INPUT on 1_Top "1_Top_Main_12V" (solid, remove dead copper, pour order 137): 143,153.53 143,149.75 153.13,149.75 153.13,153.53
3V3 on 1_Top "top_3V3" (solid, pour order 28): 129.15,139.09 129.15,140.6 139.76,140.6 149.651,140.6 150.15,140.6 151.9,140.6 153.17,140.6 153.17,135.6 152.15,135.6 149.651,135.6 149.651,134.35 149.651,133.16 147.06,133.16 136.15,133.16 132.62,133.16 132.62,135.6 129.15,135.6 129.15,137.99
Core_0V9 on 1_Top "top_A10_0V9" (solid, pour order 27): 142.45,89.25 142.45,78.97 142.45,68.82 135.4,68.82 135.4,89.25
12V_INPUT on 1_Top "1_Top_MAIN_12V" (solid, pour order 21): 158.87,92 165.2,92 165.2,94.7 165.2,132.5 165.2,132.9 165.2,133.1 167,133.1 167.45,133.1 167.45,135.65 167.45,138.3 167,138.3 161,138.3 161,133.9 158.87,131.77 158.87,96.67 156.98,96.67 156.98,92
no net on 1_Top "1_Top-No Net" (solid, pour order 133): 133.316,152.384
GND on 3_int2_(power) "3_int2_(power)_GND" (solid, remove dead copper, pour order 162): 0,0 129,0 129,4 175,4 175,155 0,155
IO_2V5 on 3_int2_(power) "3_IO_2V5" (solid, pour order 121): 8.85,14 8.85,40.8 14.1,40.8 14.1,80.4 14.1,118.9 14.1,128.7 41.3,128.7 41.3,150.65 56.8,150.65 124.93,150.65 124.93,123.6 111.78,123.6 111.78,114.7 119.7,114.7 120.3,114.7 133.42,114.7 133.42,96.45 126.15,96.45 126.15,53.9 109.6,53.9 109.6,118.5 109.6,127.12 116.88,127.15 116.88,132.25 116.88,138.2 109.6,138.2 87.2,138.2 87.2,106.8 47.8,106.8 47.8,43.6 57.9,43.6 57.9,34.3 62.2,34.3 72.7,34.3 72.7,32.4 87.183,32.4 87.183,14 78.7,14 72.4,14
1V0 on 3_int2_(power) "3_A10_1V0" (solid, pour order 51): 89.4,136.94 89.4,137.7 116.32,137.7 116.32,127.99 108.4,127.99 108.4,61.3 89.4,61.3
Core_0V9 on 3_int2_(power) "3_A10_0V9" (solid, pour order 45): 127.9,95.5 146.5,95.5 146.5,71 144.17,71 144.17,63.12 140.29,63.12 140.29,52.9 144.17,52.9 144.17,30.7 96.6,30.7 89.5,37.8 63.5,37.8 63.5,103.678 67.2,103.678 89,103.678 89,59.5 108.3,59.5 108.3,52.9 126.9,52.9 126.9,59.5 126.9,95.5